# KiCad board output.Panel_R0.5.1_300x300_2layer_step1_Modified.kicad_pcb (continued)
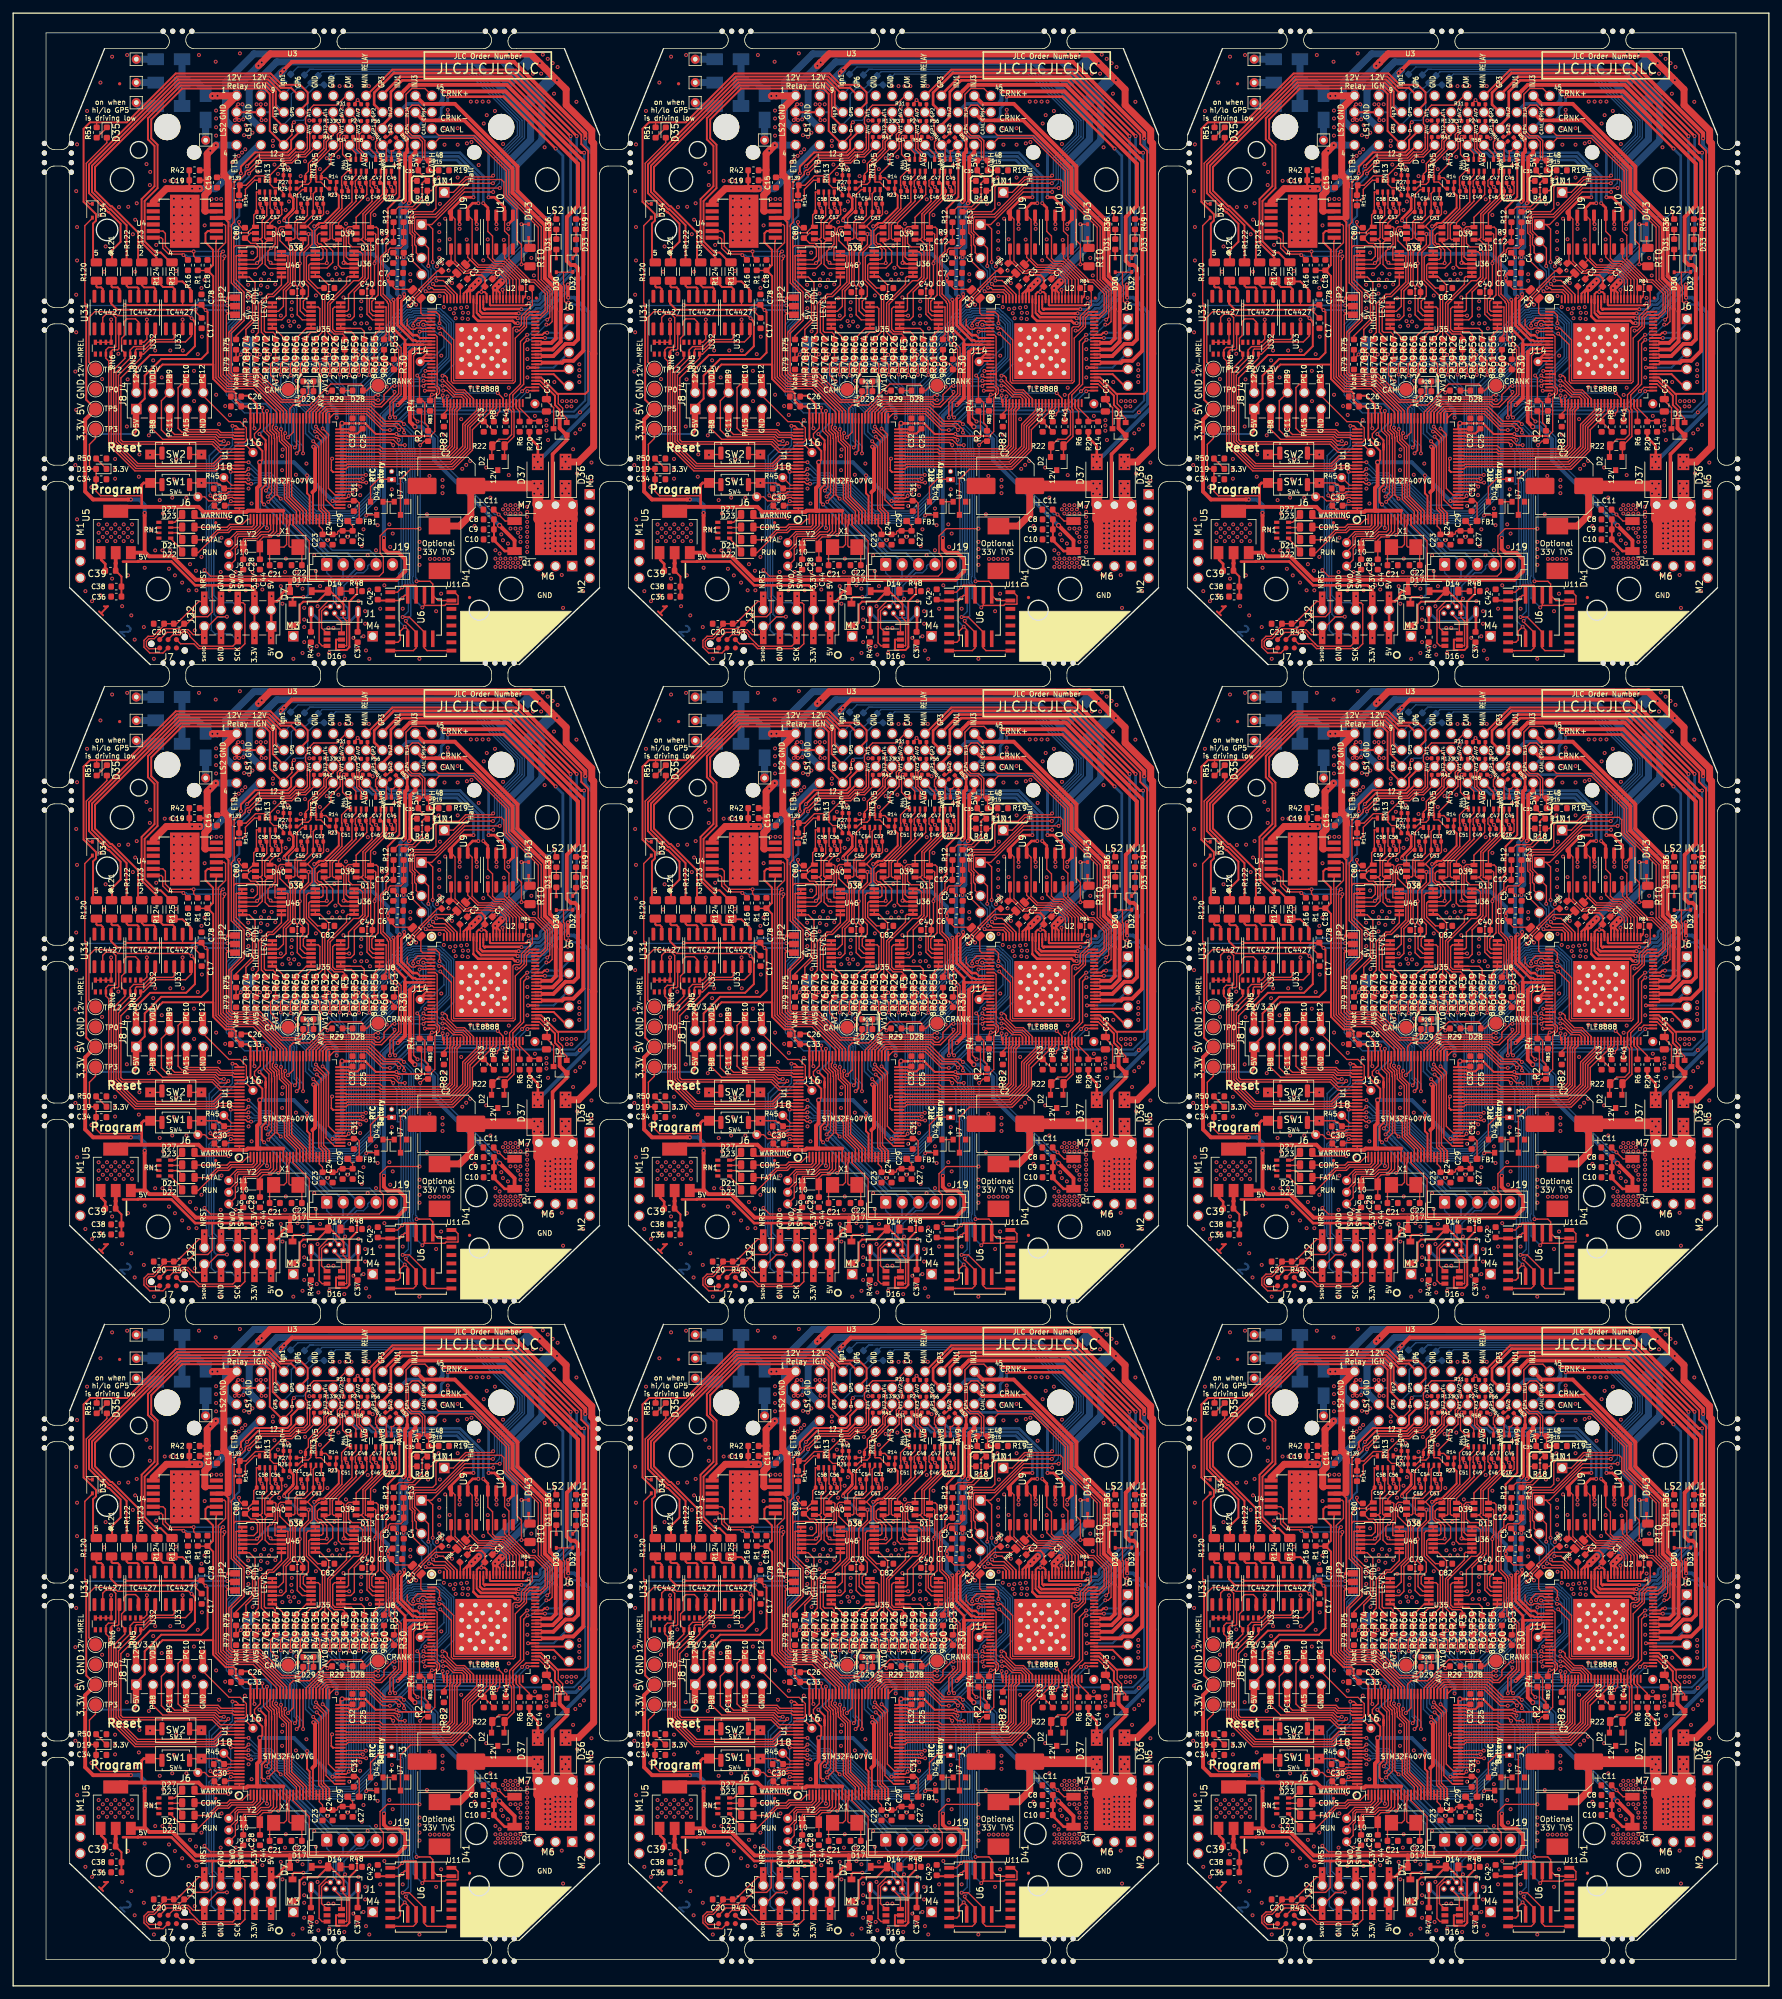
[diagram p0: board, top side]
## Routing (per net, layer and track width the routed paths; a pad name or vN(x,y) marks a point on that pad's centre or on a via; arc(x,y) is an arc through that point) (continued)
/AV8: length 395.7
  Top w0.216: U10#2.8 157.19,266.81 157.9,266.1 157.9,262.71 158.36,262.26 159.74,262.26 162.92,259.08 162.92,258.69 162.95,258.65 162.95,257.74 162.92,257.71 162.92,257.05 162.84,256.97 162.84,256.84 U2#2.76 162.5,256.85 ; R54#2.1 141.72,279.93 U3#2.36 141.73,279.38 RN2#2.2 ; 141.24,279.87 141.06,279.87 ; 247.5,256.85 U2#3.76 247.84,256.84 247.84,256.97 247.92,257.05 247.92,257.71 247.95,257.74 247.95,258.65 247.92,258.69 247.92,259.08 244.74,262.26 243.36,262.26 242.9,262.71 242.9,266.1 242.19,266.81 U10#3.8 ; R54#3.1 226.72,279.93 U3#3.36 226.73,279.38 RN2#3.2 ; 226.24,279.87 226.06,279.87 ; 162.5,159.85 U2#6.76 162.84,159.84 162.84,159.97 162.92,160.05 162.92,160.71 162.95,160.74 162.95,161.65 162.92,161.69 162.92,162.08 159.74,165.26 158.36,165.26 157.9,165.71 157.9,169.1 157.19,169.81 157.19,172.28 ; R54#6.1 141.72,182.93 U3#6.36 141.73,182.38 RN2#6.2 ; 141.24,182.87 141.06,182.87 ; 72.19,172.28 72.19,169.81 72.9,169.1 72.9,165.71 73.36,165.26 74.74,165.26 77.92,162.08 77.92,161.69 77.95,161.65 77.95,160.74 77.92,160.71 77.92,160.05 77.84,159.97 77.84,159.84 U2#4.76 77.5,159.85 ; R54#4.1 56.72,182.93 U3#4.36 56.73,182.38 RN2#4.2 ; 56.24,182.87 56.06,182.87 ; RN2#5.2 226.73,182.38 U3#5.36 226.72,182.93 R54#5.1 ; 226.24,182.87 226.06,182.87 ; 247.5,159.85 U2#5.76 247.84,159.84 247.84,159.97 247.92,160.05 247.92,160.71 247.95,160.74 247.95,161.65 247.92,161.69 247.92,162.08 244.74,165.26 243.36,165.26 242.9,165.71 242.9,169.1 242.19,169.81 242.19,172.28 ; 162.5,62.85 U2#9.76 162.84,62.84 162.84,62.97 162.92,63.05 162.92,63.71 162.95,63.74 162.95,64.65 162.92,64.69 162.92,65.08 159.74,68.26 158.36,68.26 157.9,68.71 157.9,72.1 157.19,72.81 U10#9.8 ; 226.24,85.87 226.06,85.87 ; U10#8.8 242.19,72.81 242.9,72.1 242.9,68.71 243.36,68.26 244.74,68.26 247.92,65.08 247.92,64.69 247.95,64.65 247.95,63.74 247.92,63.71 247.92,63.05 247.84,62.97 247.84,62.84 U2#8.76 247.5,62.85 ; R54#8.1 226.72,85.93 U3#7.36 226.73,85.38 RN2#8.2 ; U10#7.8 72.19,72.81 72.9,72.1 72.9,68.71 73.36,68.26 74.74,68.26 77.92,65.08 77.92,64.69 77.95,64.65 77.95,63.74 77.92,63.71 77.92,63.05 77.84,62.97 77.84,62.84 U2#7.76 77.5,62.85 ; RN2#7.2 56.73,85.38 U3#8.36 56.72,85.93 R54#7.1 ; 56.24,85.87 56.06,85.87 ; RN2#9.2 141.73,85.38 U3#9.36 141.72,85.93 R54#9.1 ; 141.24,85.87 141.06,85.87 ; RN2.2 56.73,279.38 U3.36 56.72,279.93 R54.1 ; 56.24,279.87 56.06,279.87 ; U10.8 72.19,266.81 72.9,266.1 72.9,262.71 73.36,262.26 74.74,262.26 77.92,259.08 77.92,258.69 77.95,258.65 77.95,257.74 77.92,257.71 77.92,257.05 77.84,256.97 77.84,256.84 U2.76 77.5,256.85
  Top w0.406: v1(156.5,271.1) 157.19,270.4 U10#2.8 ; U10#3.8 242.19,270.4 v1(241.5,271.1) ; 157.19,172.28 157.19,173.41 v1(156.5,174.1) ; v1(71.5,174.1) 72.19,173.41 72.19,172.28 ; v1(241.5,174.1) 242.19,173.41 242.19,172.28 ; U10#8.8 242.19,76.4 v1(241.5,77.1) ; v1(71.5,77.1) 72.19,76.4 U10#7.8 ; v1(156.5,77.1) 157.19,76.4 U10#9.8 ; v1(71.5,271.1) 72.19,270.4 U10.8
  Bottom w0.406: U3#2.36 142.33,278.78 152.95,278.78 156.5,275.23 v1(156.5,271.1) ; U3#3.36 227.33,278.78 237.95,278.78 241.5,275.23 v1(241.5,271.1) ; U3#6.36 142.33,181.78 152.95,181.78 156.5,178.23 v1(156.5,174.1) ; U3#4.36 57.33,181.78 67.95,181.78 71.5,178.23 v1(71.5,174.1) ; v1(241.5,174.1) 241.5,178.23 237.95,181.78 227.33,181.78 U3#5.36 ; v1(241.5,77.1) 241.5,81.23 237.95,84.78 227.33,84.78 U3#7.36 ; v1(71.5,77.1) 71.5,81.23 67.95,84.78 57.33,84.78 U3#8.36 ; v1(156.5,77.1) 156.5,81.23 152.95,84.78 142.33,84.78 U3#9.36 ; v1(71.5,271.1) 71.5,275.23 67.95,278.78 57.33,278.78 U3.36
/AV8_MCU: length 652.7
  Top w0.203: v1(149.79,252.09) 150.21,252.09 152,250.31 152,244.14 152.05,244.09 160.95,244.09 161,244.14 161,252.09 161.22,252.3 162,252.3 162.29,252.59 162.29,253.94 163.95,255.61 163.95,257.6 163.83,257.72 R84#2.2 ; R84#3.2 248.83,257.72 248.95,257.6 248.95,255.61 247.29,253.94 247.29,252.59 247,252.3 246.22,252.3 246,252.09 246,244.14 245.95,244.09 237.05,244.09 237,244.14 237,250.31 235.21,252.09 v1(234.79,252.09) ; R84#6.2 163.83,160.72 163.95,160.6 163.95,158.61 162.29,156.94 162.29,155.59 162,155.3 161.22,155.3 161,155.09 161,147.14 160.95,147.09 152.05,147.09 152,147.14 152,153.31 150.21,155.09 v1(149.79,155.09) ; v1(64.79,155.09) 65.21,155.09 67,153.31 67,147.14 67.05,147.09 75.95,147.09 76,147.14 76,155.09 76.22,155.3 77,155.3 77.29,155.59 77.29,156.94 78.95,158.61 78.95,160.6 78.83,160.72 R84#4.2 ; R84#5.2 248.83,160.72 248.95,160.6 248.95,158.61 247.29,156.94 247.29,155.59 247,155.3 246.22,155.3 246,155.09 246,147.14 245.95,147.09 237.05,147.09 237,147.14 237,153.31 235.21,155.09 v1(234.79,155.09) ; R84#7.2 248.83,63.72 248.95,63.6 248.95,61.61 247.29,59.94 247.29,58.59 247,58.3 246.22,58.3 246,58.09 246,50.14 245.95,50.09 237.05,50.09 237,50.14 237,56.31 235.21,58.09 v1(234.79,58.09) ; v1(64.79,58.09) 65.21,58.09 67,56.31 67,50.14 67.05,50.09 75.95,50.09 76,50.14 76,58.09 76.22,58.3 77,58.3 77.29,58.59 77.29,59.94 78.95,61.61 78.95,63.6 78.83,63.72 R84#8.2 ; v1(149.79,58.09) 150.21,58.09 152,56.31 152,50.14 152.05,50.09 160.95,50.09 161,50.14 161,58.09 161.22,58.3 162,58.3 162.29,58.59 162.29,59.94 163.95,61.61 163.95,63.6 163.83,63.72 R84#9.2 ; R84.2 78.83,257.72 78.95,257.6 78.95,255.61 77.29,253.94 77.29,252.59 77,252.3 76.22,252.3 76,252.09 76,244.14 75.95,244.09 67.05,244.09 67,244.14 67,250.31 65.21,252.09 v1(64.79,252.09)
  Top w0.216: U1#2.35 138.14,229.22 v1(138.17,229.19) 138.17,229.01 138.17,229.01 ; R55#2.1 R61#2.2 v1(140.64,246.65) ; 223.17,229.01 223.17,229.01 v1(223.17,229.19) 223.14,229.22 U1#3.35 ; R55#3.1 R61#3.2 v1(225.64,246.65) ; 138.17,132.01 138.17,132.01 v1(138.17,132.19) 138.14,132.22 U1#6.35 ; R55#6.1 R61#6.2 v1(140.64,149.65) ; U1#4.35 53.14,132.22 v1(53.17,132.19) 53.17,132.01 53.17,132.01 ; R55#4.1 R61#4.2 v1(55.64,149.65) ; U1#5.35 223.14,132.22 v1(223.17,132.19) 223.17,132.01 223.17,132.01 ; R55#5.1 R61#5.2 v1(225.64,149.65) ; 223.17,35.01 223.17,35.01 v1(223.17,35.19) 223.14,35.22 U1#8.35 ; R55#7.1 R61#7.2 v1(225.64,52.65) ; v1(55.64,52.65) R61#9.2 R55#9.1 ; 53.17,35.01 53.17,35.01 v1(53.17,35.19) 53.14,35.22 U1#7.35 ; U1#9.35 138.14,35.22 v1(138.17,35.19) 138.17,35.01 138.17,35.01 ; R55#8.1 R61#8.2 v1(140.64,52.65) ; R55.1 R61.2 v1(55.64,246.65) ; 53.17,229.01 53.17,229.01 v1(53.17,229.19) 53.14,229.22 U1.35
  Bottom w0.216: v1(138.17,229.19) 137.91,229.45 137.91,242.93 140.64,245.66 v1(140.64,246.65) 140.64,248.14 144.83,252.34 144.83,252.79 145.44,253.4 146.02,253.4 146.25,253.63 148.26,253.63 v1(149.79,252.09) ; v1(234.79,252.09) 233.26,253.63 231.25,253.63 231.02,253.4 230.44,253.4 229.83,252.79 229.83,252.34 225.64,248.14 v1(225.64,246.65) 225.64,245.66 222.91,242.93 222.91,229.45 v1(223.17,229.19) ; v1(149.79,155.09) 148.26,156.63 146.25,156.63 146.02,156.4 145.44,156.4 144.83,155.79 144.83,155.34 140.64,151.14 v1(140.64,149.65) 140.64,148.66 137.91,145.93 137.91,132.45 v1(138.17,132.19) ; v1(53.17,132.19) 52.91,132.45 52.91,145.93 55.64,148.66 v1(55.64,149.65) 55.64,151.14 59.83,155.34 59.83,155.79 60.44,156.4 61.02,156.4 61.25,156.63 63.26,156.63 v1(64.79,155.09) ; v1(234.79,155.09) 233.26,156.63 231.25,156.63 231.02,156.4 230.44,156.4 229.83,155.79 229.83,155.34 225.64,151.14 v1(225.64,149.65) 225.64,148.66 222.91,145.93 222.91,132.45 v1(223.17,132.19) ; v1(223.17,35.19) 222.91,35.45 222.91,48.93 225.64,51.66 v1(225.64,52.65) 225.64,54.14 229.83,58.34 229.83,58.79 230.44,59.4 231.02,59.4 231.25,59.63 233.26,59.63 v1(234.79,58.09) ; v1(64.79,58.09) 63.26,59.63 61.25,59.63 61.02,59.4 60.44,59.4 59.83,58.79 59.83,58.34 55.64,54.14 v1(55.64,52.65) 55.64,51.66 52.91,48.93 52.91,35.45 v1(53.17,35.19) ; v1(149.79,58.09) 148.26,59.63 146.25,59.63 146.02,59.4 145.44,59.4 144.83,58.79 144.83,58.34 140.64,54.14 v1(140.64,52.65) 140.64,51.66 137.91,48.93 137.91,35.45 v1(138.17,35.19) ; v1(53.17,229.19) 52.91,229.45 52.91,242.93 55.64,245.66 v1(55.64,246.65) 55.64,248.14 59.83,252.34 59.83,252.79 60.44,253.4 61.02,253.4 61.25,253.63 63.26,253.63 v1(64.79,252.09)
/AV9: length 467.7
  Top w0.203: 159.74,269.27 159.74,266.87 160.4,266.2 160.4,262.62 163.58,259.44 164.34,259.44 166.27,257.51 166.27,255.51 166.26,255.5 166.26,254.65 165.2,253.6 U2#2.73 ; U10#3.6 244.74,266.87 245.4,266.2 245.4,262.62 248.58,259.44 249.34,259.44 251.27,257.51 251.27,255.51 251.26,255.5 251.26,254.65 250.2,253.6 U2#3.73 ; 159.74,172.28 159.74,169.87 160.4,169.2 160.4,165.62 163.58,162.44 164.34,162.44 166.27,160.51 166.27,158.51 166.26,158.5 166.26,157.65 165.2,156.6 U2#6.73 ; 74.73,172.28 74.73,169.87 75.4,169.2 75.4,165.62 78.58,162.44 79.34,162.44 81.27,160.51 81.27,158.51 81.26,158.5 81.26,157.65 80.2,156.6 U2#4.73 ; 244.74,172.28 244.74,169.87 245.4,169.2 245.4,165.62 248.58,162.44 249.34,162.44 251.27,160.51 251.27,158.51 251.26,158.5 251.26,157.65 250.2,156.6 U2#5.73 ; 159.74,75.27 159.74,72.87 160.4,72.2 160.4,68.62 163.58,65.44 164.34,65.44 166.27,63.51 166.27,61.51 166.26,61.5 166.26,60.65 165.2,59.6 U2#9.73 ; U10#8.6 244.74,72.87 245.4,72.2 245.4,68.62 248.58,65.44 249.34,65.44 251.27,63.51 251.27,61.51 251.26,61.5 251.26,60.65 250.2,59.6 U2#8.73 ; U10#7.6 74.73,72.87 75.4,72.2 75.4,68.62 78.58,65.44 79.34,65.44 81.27,63.51 81.27,61.51 81.26,61.5 81.26,60.65 80.2,59.6 U2#7.73 ; U10.6 74.73,266.87 75.4,266.2 75.4,262.62 78.58,259.44 79.34,259.44 81.27,257.51 81.27,255.51 81.26,255.5 81.26,254.65 80.2,253.6 U2.73
  Top w0.216: U3#2.40 142.79,279.05 142.47,279.05 142.53,278.99 RN2#2.1 ; U3#2.40 143.74,279.87 R7#2.2 ; U3#2.40 143.67,280.62 R52#2.1 ; R7#3.2 228.74,279.87 U3#3.40 ; R52#3.1 228.67,280.62 U3#3.40 ; U3#3.40 227.79,279.05 227.47,279.05 227.53,278.99 RN2#3.1 ; R7#6.2 143.74,182.87 U3#6.40 ; R52#6.1 143.67,183.62 U3#6.40 ; U3#6.40 142.79,182.05 142.47,182.05 142.53,181.99 RN2#6.1 ; U3#4.40 57.79,182.05 57.47,182.05 57.53,181.99 RN2#4.1 ; U3#4.40 58.74,182.87 R7#4.2 ; U3#4.40 58.67,183.62 R52#4.1 ; U3#5.40 228.67,183.62 R52#5.1 ; U3#5.40 227.79,182.05 227.47,182.05 227.53,181.99 RN2#5.1 ; U3#5.40 228.74,182.87 R7#5.2 ; U3#9.40 143.67,86.62 R52#9.1 ; U3#9.40 142.79,85.05 142.47,85.05 142.53,84.99 RN2#9.1 ; U3#9.40 143.74,85.87 R7#9.2 ; R7#8.2 228.74,85.87 U3#7.40 ; U3#7.40 228.67,86.62 R52#8.1 ; U3#7.40 227.79,85.05 227.47,85.05 227.53,84.99 RN2#8.1 ; U3#8.40 57.79,85.05 57.47,85.05 57.53,84.99 RN2#7.1 ; U3#8.40 58.74,85.87 R7#7.2 ; U3#8.40 58.67,86.62 R52#7.1 ; U3.40 57.79,279.05 57.47,279.05 57.53,278.99 RN2.1 ; U3.40 58.74,279.87 R7.2 ; U3.40 58.67,280.62 R52.1
  Top w0.406: 159.74,269.27 159.74,270.47 158.2,272 v1(157.3,272) ; v1(242.3,272) 243.2,272 244.74,270.47 U10#3.6 ; v1(157.3,175) 158.2,175 159.74,173.47 159.74,172.28 ; 74.73,172.28 74.73,173.47 73.2,175 v1(72.3,175) ; 244.74,172.28 244.74,173.47 243.2,175 v1(242.3,175) ; v1(157.3,78) 158.2,78 159.74,76.46 159.74,75.27 ; v1(242.3,78) 243.2,78 244.74,76.46 U10#8.6 ; U10#7.6 74.73,76.46 73.2,78 v1(72.3,78) ; U10.6 74.73,270.47 73.2,272 v1(72.3,272)
  Bottom w0.406: U3#2.40 144.94,281.2 155.3,281.2 157.3,279.2 v1(157.3,272) ; U3#3.40 229.94,281.2 240.3,281.2 242.3,279.2 v1(242.3,272) ; U3#6.40 144.94,184.2 155.3,184.2 157.3,182.2 v1(157.3,175) ; U3#4.40 59.94,184.2 70.3,184.2 72.3,182.2 v1(72.3,175) ; v1(242.3,175) 242.3,182.2 240.3,184.2 229.94,184.2 U3#5.40 ; v1(157.3,78) 157.3,85.2 155.3,87.2 144.94,87.2 U3#9.40 ; U3#7.40 229.94,87.2 240.3,87.2 242.3,85.2 v1(242.3,78) ; v1(72.3,78) 72.3,85.2 70.3,87.2 59.94,87.2 U3#8.40 ; U3.40 59.94,281.2 70.3,281.2 72.3,279.2 v1(72.3,272)
/AV9_MCU: length 238.8
  Top w0.203: R30#2.2 142.9,246.24 142.42,246.73 v1(141.95,246.73) ; R30#3.2 227.9,246.24 227.42,246.73 v1(226.95,246.73) ; R30#6.2 142.9,149.24 142.42,149.73 v1(141.95,149.73) ; R30#4.2 57.9,149.24 57.42,149.73 v1(56.95,149.73) ; R30#5.2 227.9,149.24 227.42,149.73 v1(226.95,149.73) ; R30#8.2 227.9,52.24 227.42,52.73 v1(226.95,52.73) ; R30#7.2 57.9,52.24 57.42,52.73 v1(56.95,52.73) ; R30#9.2 142.9,52.24 142.42,52.73 v1(141.95,52.73) ; v1(56.95,246.73) 57.42,246.73 57.9,246.24 R30.2
  Top w0.216: 142.14,246.65 R60#2.2 R53#2.1 ; U1#2.36 135.66,229.72 135.72,229.77 v1(138.65,229.77) ; 227.14,246.65 R60#3.2 R53#3.1 ; v1(223.65,229.77) 220.72,229.77 220.66,229.72 U1#3.36 ; 142.14,149.65 R60#6.2 R53#6.1 ; v1(138.65,132.77) 135.72,132.77 135.66,132.72 U1#6.36 ; 57.14,149.65 R60#4.2 R53#4.1 ; U1#4.36 50.66,132.72 50.72,132.77 v1(53.65,132.77) ; 227.14,149.65 R60#5.2 R53#5.1 ; v1(223.65,132.77) 220.72,132.77 220.66,132.72 U1#5.36 ; 227.14,52.65 R60#7.2 R53#7.1 ; v1(223.65,35.77) 220.72,35.77 220.66,35.72 U1#8.36 ; 57.14,52.65 R60#9.2 R53#9.1 ; U1#7.36 50.66,35.72 50.72,35.77 v1(53.65,35.77) ; 142.14,52.65 R60#8.2 R53#8.1 ; v1(138.65,35.77) 135.72,35.77 135.66,35.72 U1#9.36 ; R53.1 R60.2 57.14,246.65 ; v1(53.65,229.77) 50.72,229.77 50.66,229.72 U1.36
  Bottom w0.216: v1(141.95,246.73) 141.65,246.43 141.65,246.15 138.35,242.85 138.35,230.07 v1(138.65,229.77) ; v1(223.65,229.77) 223.35,230.07 223.35,242.85 226.65,246.15 226.65,246.43 v1(226.95,246.73) ; v1(138.65,132.77) 138.35,133.07 138.35,145.85 141.65,149.15 141.65,149.43 v1(141.95,149.73) ; v1(56.95,149.73) 56.65,149.43 56.65,149.15 53.35,145.85 53.35,133.07 v1(53.65,132.77) ; v1(226.95,149.73) 226.65,149.43 226.65,149.15 223.35,145.85 223.35,133.07 v1(223.65,132.77) ; v1(226.95,52.73) 226.65,52.43 226.65,52.15 223.35,48.85 223.35,36.07 v1(223.65,35.77) ; v1(56.95,52.73) 56.65,52.43 56.65,52.15 53.35,48.85 53.35,36.07 v1(53.65,35.77) ; v1(141.95,52.73) 141.65,52.43 141.65,52.15 138.35,48.85 138.35,36.07 v1(138.65,35.77) ; v1(56.95,246.73) 56.65,246.43 56.65,246.15 53.35,242.85 53.35,230.07 v1(53.65,229.77)
/AV10: length 477.4
  Top w0.203: U9#2.8 152.2,268.67 152.2,262.31 153.52,260.99 153.55,260.99 153.74,260.79 154.16,260.79 154.35,260.99 157.61,260.99 157.76,260.83 159.15,260.83 160.5,259.48 U2#2.80 ; U2#3.80 245.5,259.48 244.15,260.83 242.76,260.83 242.61,260.99 239.35,260.99 239.16,260.79 238.74,260.79 238.55,260.99 238.52,260.99 237.2,262.31 237.2,268.67 U9#3.8 ; U2#6.80 160.5,162.48 159.15,163.83 157.76,163.83 157.61,163.99 154.35,163.99 154.16,163.79 153.74,163.79 153.55,163.99 153.52,163.99 152.2,165.31 152.2,171.67 151.59,172.28 ; 66.59,172.28 67.2,171.67 67.2,165.31 68.52,163.99 68.55,163.99 68.74,163.79 69.16,163.79 69.35,163.99 72.61,163.99 72.76,163.83 74.15,163.83 75.5,162.48 U2#4.80 ; U2#5.80 245.5,162.48 244.15,163.83 242.76,163.83 242.61,163.99 239.35,163.99 239.16,163.79 238.74,163.79 238.55,163.99 238.52,163.99 237.2,165.31 237.2,171.67 236.6,172.28 ; U2#9.80 160.5,65.48 159.15,66.83 157.76,66.83 157.61,66.99 154.35,66.99 154.16,66.79 153.74,66.79 153.55,66.99 153.52,66.99 152.2,68.31 152.2,74.67 U9#9.8 ; U2#8.80 245.5,65.48 244.15,66.83 242.76,66.83 242.61,66.99 239.35,66.99 239.16,66.79 238.74,66.79 238.55,66.99 238.52,66.99 237.2,68.31 237.2,74.67 U9#8.8 ; U9#7.8 67.2,74.67 67.2,68.31 68.52,66.99 68.55,66.99 68.74,66.79 69.16,66.79 69.35,66.99 72.61,66.99 72.76,66.83 74.15,66.83 75.5,65.48 U2#7.80 ; U9.8 67.2,268.67 67.2,262.31 68.52,260.99 68.55,260.99 68.74,260.79 69.16,260.79 69.35,260.99 72.61,260.99 72.76,260.83 74.15,260.83 75.5,259.48 U2.80
  Top w0.216: 136.6,281.19 136.6,280.36 U3#2.28 136.17,279.61 137.12,278.67 RN4#2.3 ; RN4#3.3 222.12,278.67 221.17,279.61 U3#3.28 221.6,280.36 221.6,281.19 ; RN4#6.3 137.12,181.66 136.17,182.61 U3#6.28 136.6,183.36 136.6,184.19 ; 51.6,184.19 51.6,183.36 U3#4.28 51.17,182.61 52.12,181.66 RN4#4.3 ; RN4#5.3 222.12,181.66 221.17,182.61 U3#5.28 221.6,183.36 221.6,184.19 ; RN4#9.3 137.12,84.66 136.17,85.61 U3#9.28 136.6,86.36 136.6,87.19 ; 221.6,87.19 221.6,86.36 U3#7.28 221.17,85.61 222.12,84.66 RN4#8.3 ; 51.6,87.19 51.6,86.36 U3#8.28 51.17,85.61 52.12,84.66 RN4#7.3 ; 51.6,281.19 51.6,280.36 U3.28 51.17,279.61 52.12,278.67 RN4.3
  Top w0.406: v1(155,272) 153.5,272 151.29,269.8 151.29,269.57 U9#2.8 ; U9#3.8 236.3,269.57 236.3,269.8 238.5,272 v1(240,272) ; 151.59,172.28 151.29,172.57 151.29,172.79 153.5,175 v1(155,175) ; v1(70,175) 68.5,175 66.3,172.79 66.3,172.57 66.59,172.28 ; 236.6,172.28 236.3,172.57 236.3,172.79 238.5,175 v1(240,175) ; v1(155,78) 153.5,78 151.29,75.8 151.29,75.57 U9#9.8 ; U9#8.8 236.3,75.57 236.3,75.8 238.5,78 v1(240,78) ; v1(70,78) 68.5,78 66.3,75.8 66.3,75.57 U9#7.8 ; v1(70,272) 68.5,272 66.3,269.8 66.3,269.57 U9.8
  Bottom w0.406: U3#2.28 137.33,278.78 139.02,278.78 139.58,278.22 141.08,278.22 141.64,277.66 152.49,277.66 155,275.15 v1(155,272) ; v1(240,272) 240,275.15 237.49,277.66 226.64,277.66 226.08,278.22 224.58,278.22 224.02,278.78 222.33,278.78 U3#3.28 ; v1(155,175) 155,178.15 152.49,180.66 141.64,180.66 141.08,181.22 139.58,181.22 139.02,181.78 137.33,181.78 U3#6.28 ; U3#4.28 52.33,181.78 54.02,181.78 54.58,181.22 56.08,181.22 56.64,180.66 67.49,180.66 70,178.15 v1(70,175) ; v1(240,175) 240,178.15 237.49,180.66 226.64,180.66 226.08,181.22 224.58,181.22 224.02,181.78 222.33,181.78 U3#5.28 ; U3#9.28 137.33,84.78 139.02,84.78 139.58,84.22 141.08,84.22 141.64,83.66 152.49,83.66 155,81.15 v1(155,78) ; v1(240,78) 240,81.15 237.49,83.66 226.64,83.66 226.08,84.22 224.58,84.22 224.02,84.78 222.33,84.78 U3#7.28 ; U3#8.28 52.33,84.78 54.02,84.78 54.58,84.22 56.08,84.22 56.64,83.66 67.49,83.66 70,81.15 v1(70,78) ; U3.28 52.33,278.78 54.02,278.78 54.58,278.22 56.08,278.22 56.64,277.66 67.49,277.66 70,275.15 v1(70,272)
/AV10_MCU: length 441.6
  Top w0.216: R32#2.1 R44#2.2 ; R44#2.2 132.4,247.3 133.16,246.54 v1(133.16,245.03) ; R44#2.2 133.05,248.04 v1(133.07,248.04) ; v1(136.03,226.59) 136.03,226.58 135.66,226.22 U1#2.29 ; R85#2.2 149.53,260.82 146.71,258 146.71,257.87 145.64,256.8 145.64,256.76 v1(145.34,256.46) ; R32#3.1 R44#3.2 ; R44#3.2 217.4,247.3 218.16,246.54 v1(218.16,245.03) ; R44#3.2 218.05,248.04 v1(218.07,248.04) ; v1(230.34,256.46) 230.64,256.76 230.64,256.8 231.71,257.87 231.71,258 234.53,260.82 R85#3.2 ; U1#3.29 220.66,226.22 221.03,226.58 v1(221.03,226.59) ; R32#6.1 R44#6.2 ; R44#6.2 132.4,150.3 133.16,149.54 v1(133.16,148.03) ; R44#6.2 133.05,151.04 v1(133.07,151.04) ; v1(145.34,159.46) 145.64,159.76 145.64,159.8 146.71,160.87 146.71,161 149.53,163.82 R85#6.2 ; U1#6.29 135.66,129.22 136.03,129.58 v1(136.03,129.59) ; R32#4.1 R44#4.2 ; R44#4.2 47.4,150.3 48.16,149.54 v1(48.16,148.03) ; R44#4.2 48.05,151.04 v1(48.07,151.04) ; v1(51.03,129.59) 51.03,129.58 50.66,129.22 U1#4.29 ; R85#4.2 64.53,163.82 61.71,161 61.71,160.87 60.64,159.8 60.64,159.76 v1(60.34,159.46) ; R32#5.1 R44#5.2 ; R44#5.2 217.4,150.3 218.16,149.54 v1(218.16,148.03) ; R44#5.2 218.05,151.04 v1(218.07,151.04) ; U1#5.29 220.66,129.22 221.03,129.58 v1(221.03,129.59) ; R85#5.2 234.53,163.82 231.71,161 231.71,160.87 230.64,159.8 230.64,159.76 v1(230.34,159.46) ; R32#7.1 R44#7.2 ; R44#7.2 217.4,53.3 218.16,52.54 v1(218.16,51.03) ; R44#7.2 218.05,54.04 v1(218.07,54.04) ; v1(221.03,32.59) 221.03,32.58 220.66,32.22 U1#8.29 ; v1(230.34,62.46) 230.64,62.76 230.64,62.8 231.71,63.87 231.71,64 234.53,66.82 R85#7.2 ; R32#9.1 R44#9.2 ; R44#9.2 47.4,53.3 48.16,52.54 v1(48.16,51.03) ; R44#9.2 48.05,54.04 v1(48.07,54.04) ; v1(60.34,62.46) 60.64,62.76 60.64,62.8 61.71,63.87 61.71,64 64.53,66.82 R85#8.2 ; U1#7.29 50.66,32.22 51.03,32.58 v1(51.03,32.59) ; R32#8.1 R44#8.2 ; R44#8.2 132.4,53.3 133.16,52.54 v1(133.16,51.03) ; R44#8.2 133.05,54.04 v1(133.07,54.04) ; R85#9.2 149.53,66.82 146.71,64 146.71,63.87 145.64,62.8 145.64,62.76 v1(145.34,62.46) ; v1(136.03,32.59) 136.03,32.58 135.66,32.22 U1#9.29 ; U1.29 50.66,226.22 51.03,226.58 v1(51.03,226.59) ; R44.2 47.4,247.3 48.16,246.54 v1(48.16,245.03) ; R44.2 R32.1 ; R44.2 48.05,248.04 v1(48.07,248.04) ; R85.2 64.53,260.82 61.71,258 61.71,257.87 60.64,256.8 60.64,256.76 v1(60.34,256.46)
  Bottom w0.216: v1(145.34,256.46) 142.62,253.74 142.62,253.33 137.99,248.7 137.36,248.7 136.42,247.76 133.35,247.76 v1(133.07,248.04) ; v1(133.16,245.03) 133.53,244.67 133.53,244.44 136.04,241.93 136.04,227.34 136.03,227.33 v1(136.03,226.59) ; v1(230.34,256.46) 227.62,253.74 227.62,253.33 222.99,248.7 222.36,248.7 221.42,247.76 218.35,247.76 v1(218.07,248.04) ; v1(218.16,245.03) 218.53,244.67 218.53,244.44 221.04,241.93 221.04,227.34 221.03,227.33 v1(221.03,226.59) ; v1(145.34,159.46) 142.62,156.74 142.62,156.33 137.99,151.7 137.36,151.7 136.42,150.76 133.35,150.76 v1(133.07,151.04) ; v1(133.16,148.03) 133.53,147.67 133.53,147.44 136.04,144.93 136.04,130.34 136.03,130.33 v1(136.03,129.59) ; v1(60.34,159.46) 57.62,156.74 57.62,156.33 52.99,151.7 52.36,151.7 51.42,150.76 48.35,150.76 v1(48.07,151.04) ; v1(48.16,148.03) 48.53,147.67 48.53,147.44 51.04,144.93 51.04,130.34 51.03,130.33 v1(51.03,129.59) ; v1(230.34,159.46) 227.62,156.74 227.62,156.33 222.99,151.7 222.36,151.7 221.42,150.76 218.35,150.76 v1(218.07,151.04) ; v1(218.16,148.03) 218.53,147.67 218.53,147.44 221.04,144.93 221.04,130.34 221.03,130.33 v1(221.03,129.59) ; v1(230.34,62.46) 227.62,59.74 227.62,59.33 222.99,54.7 222.36,54.7 221.42,53.76 218.35,53.76 v1(218.07,54.04) ; v1(218.16,51.03) 218.53,50.67 218.53,50.44 221.04,47.93 221.04,33.34 221.03,33.33 v1(221.03,32.59) ; v1(48.16,51.03) 48.53,50.67 48.53,50.44 51.04,47.93 51.04,33.34 51.03,33.33 v1(51.03,32.59) ; v1(60.34,62.46) 57.62,59.74 57.62,59.33 52.99,54.7 52.36,54.7 51.42,53.76 48.35,53.76 v1(48.07,54.04) ; v1(145.34,62.46) 142.62,59.74 142.62,59.33 137.99,54.7 137.36,54.7 136.42,53.76 133.35,53.76 v1(133.07,54.04) ; v1(133.16,51.03) 133.53,50.67 133.53,50.44 136.04,47.93 136.04,33.34 136.03,33.33 v1(136.03,32.59) ; v1(48.07,248.04) 48.35,247.76 51.42,247.76 52.36,248.7 52.99,248.7 57.62,253.33 57.62,253.74 v1(60.34,256.46) ; v1(51.03,226.59) 51.03,227.33 51.04,227.34 51.04,241.93 48.53,244.44 48.53,244.67 v1(48.16,245.03)
/MCU/VBAT: length 15.3
  Top w0.216: U7#2.2 D42#2.1 ; U7#3.2 D42#3.1 ; U7#4.2 D42#4.1 ; U7#6.2 D42#6.1 ; U7#5.2 D42#5.1 ; U7#9.2 D42#9.1 ; U7#8.2 D42#8.1 ; U7#7.2 D42#7.1 ; U7.2 D42.1
/MCU/VDDA: length 88.1
  Top w0.203: U1#2.21 U1#2.22 131.59,222.81 131.55,222.77 131.55,222 132.06,221.5 C23#2.2 C24#2.2 134.21,220.73 134.34,220.86 134.34,221.12 134.49,221.27 C29#2.2 C27#2.2 136.63,222 135.88,222.75 FB1#2.2 ; U1#3.21 U1#3.22 216.59,222.81 216.55,222.77 216.55,222 217.06,221.5 C23#3.2 C24#3.2 219.21,220.73 219.34,220.86 219.34,221.12 219.49,221.27 C29#3.2 C27#3.2 221.63,222 220.88,222.75 FB1#3.2 ; U1#4.21 U1#4.22 46.59,125.81 46.55,125.77 46.55,125 47.06,124.5 C23#6.2 C24#6.2 49.21,123.73 49.34,123.86 49.34,124.12 49.49,124.27 C29#6.2 C27#6.2 51.63,125 50.88,125.75 FB1#6.2 ; U1#6.21 U1#6.22 131.59,125.81 131.55,125.77 131.55,125 132.06,124.5 C23#4.2 C24#4.2 134.21,123.73 134.34,123.86 134.34,124.12 134.49,124.27 C29#4.2 C27#4.2 136.63,125 135.88,125.75 FB1#4.2 ; FB1#5.2 220.88,125.75 221.63,125 C27#5.2 C29#5.2 219.49,124.27 219.34,124.12 219.34,123.86 219.21,123.73 C24#5.2 C23#5.2 217.06,124.5 216.55,125 216.55,125.77 216.59,125.81 U1#5.22 U1#5.21 ; U1#9.21 U1#9.22 131.59,28.81 131.55,28.77 131.55,28 132.06,27.5 C23#8.2 C24#8.2 134.21,26.73 134.34,26.86 134.34,27.12 134.49,27.27 C29#9.2 C27#9.2 136.63,28 135.88,28.75 FB1#8.2 ; FB1#7.2 220.88,28.75 221.63,28 C27#7.2 C29#7.2 219.49,27.27 219.34,27.12 219.34,26.86 219.21,26.73 C24#7.2 C23#7.2 217.06,27.5 216.55,28 216.55,28.77 216.59,28.81 U1#8.22 U1#8.21 ; U1#7.21 U1#7.22 46.59,28.81 46.55,28.77 46.55,28 47.06,27.5 C23#9.2 C24#9.2 49.21,26.73 49.34,26.86 49.34,27.12 49.49,27.27 C29#8.2 C27#8.2 51.63,28 50.88,28.75 FB1#9.2 ; U1.21 U1.22 46.59,222.81 46.55,222.77 46.55,222 47.06,221.5 C23.2 C24.2 49.21,220.73 49.34,220.86 49.34,221.12 49.49,221.27 C29.2 C27.2 51.63,222 50.88,222.75 FB1.2
/TLE8888-1QK/5V_STBY: length 272.3
  Top w0.216: 143.9,223.75 143.9,229.1 145.44,230.64 151.94,230.64 154.84,233.54 154.84,236.66 156.09,237.9 C13#2.1 ; C13#2.1 158.1,236.37 R8#2.1 ; C13#2.1 156.57,238.34 157.5,239.28 157.5,239.6 ; 157.5,239.6 157.6,239.6 158,240 U2#2.41 ; 157.5,239.6 U2#2.40 ; 228.9,223.75 228.9,229.1 230.44,230.64 236.94,230.64 239.84,233.54 239.84,236.66 241.09,237.9 C13#3.1 ; C13#3.1 241.57,238.34 242.5,239.28 242.5,239.6 ; C13#3.1 243.1,236.37 R8#3.1 ; 242.5,239.6 U2#3.40 ; 242.5,239.6 242.6,239.6 243,240 U2#3.41 ; 58.9,126.75 58.9,132.1 60.44,133.64 66.94,133.64 69.84,136.54 69.84,139.66 71.09,140.9 C13#6.1 ; C13#6.1 73.1,139.37 R8#4.1 ; C13#6.1 71.57,141.34 72.5,142.28 72.5,142.6 ; 72.5,142.6 72.6,142.6 73,143 U2#4.41 ; 72.5,142.6 U2#4.40 ; 143.9,126.75 143.9,132.1 145.44,133.64 151.94,133.64 154.84,136.54 154.84,139.66 156.09,140.9 C13#4.1 ; C13#4.1 156.57,141.34 157.5,142.28 157.5,142.6 ; C13#4.1 158.1,139.37 R8#6.1 ; 157.5,142.6 U2#6.40 ; 157.5,142.6 157.6,142.6 158,143 U2#6.41 ; 228.9,126.75 228.9,132.1 230.44,133.64 236.94,133.64 239.84,136.54 239.84,139.66 241.09,140.9 C13#5.1 ; C13#5.1 241.57,141.34 242.5,142.28 242.5,142.6 ; C13#5.1 243.1,139.37 R8#5.1 ; 242.5,142.6 U2#5.40 ; 242.5,142.6 242.6,142.6 243,143 U2#5.41 ; 143.9,29.75 143.9,35.1 145.44,36.64 151.94,36.64 154.84,39.54 154.84,42.66 156.09,43.9 C13#8.1 ; 157.5,45.6 U2#9.40 ; 157.5,45.6 157.6,45.6 158,46 U2#9.41 ; 157.5,45.6 157.5,45.28 156.57,44.34 C13#8.1 ; R8#9.1 158.1,42.37 C13#8.1 ; 228.9,29.75 228.9,35.1 230.44,36.64 236.94,36.64 239.84,39.54 239.84,42.66 241.09,43.9 C13#7.1 ; 242.5,45.6 U2#8.40 ; 242.5,45.6 242.5,45.28 241.57,44.34 C13#7.1 ; 242.5,45.6 242.6,45.6 243,46 U2#8.41 ; C13#7.1 243.1,42.37 R8#8.1 ; C13#9.1 73.1,42.37 R8#7.1 ; C13#9.1 71.09,43.9 69.84,42.66 69.84,39.54 66.94,36.64 60.44,36.64 58.9,35.1 58.9,29.75 ; C13#9.1 71.57,44.34 72.5,45.28 72.5,45.6 ; 72.5,45.6 U2#7.40 ; 72.5,45.6 72.6,45.6 73,46 U2#7.41 ; C13.1 71.09,237.9 69.84,236.66 69.84,233.54 66.94,230.64 60.44,230.64 58.9,229.1 58.9,223.75 ; C13.1 73.1,236.37 R8.1 ; C13.1 71.57,238.34 72.5,239.28 72.5,239.6 ; 72.5,239.6 72.6,239.6 73,240 U2.41 ; 72.5,239.6 U2.40
